# Altium PCB CONTROLLER.PcbDoc (part 3 of 4)
Units mm, origin at the board's own origin, x right, y up, seen from the top; angles counter-clockwise.
Board outline 104 x 83 mm, 6 copper layers (Component Side, Ground Plane (GND), Inner Layer 1, Inner Layer 2, Power Plane (VCC), Solder Side), stack 1.297 mm thick; 390 components, 384 nets, 1561 pads, 757 vias.
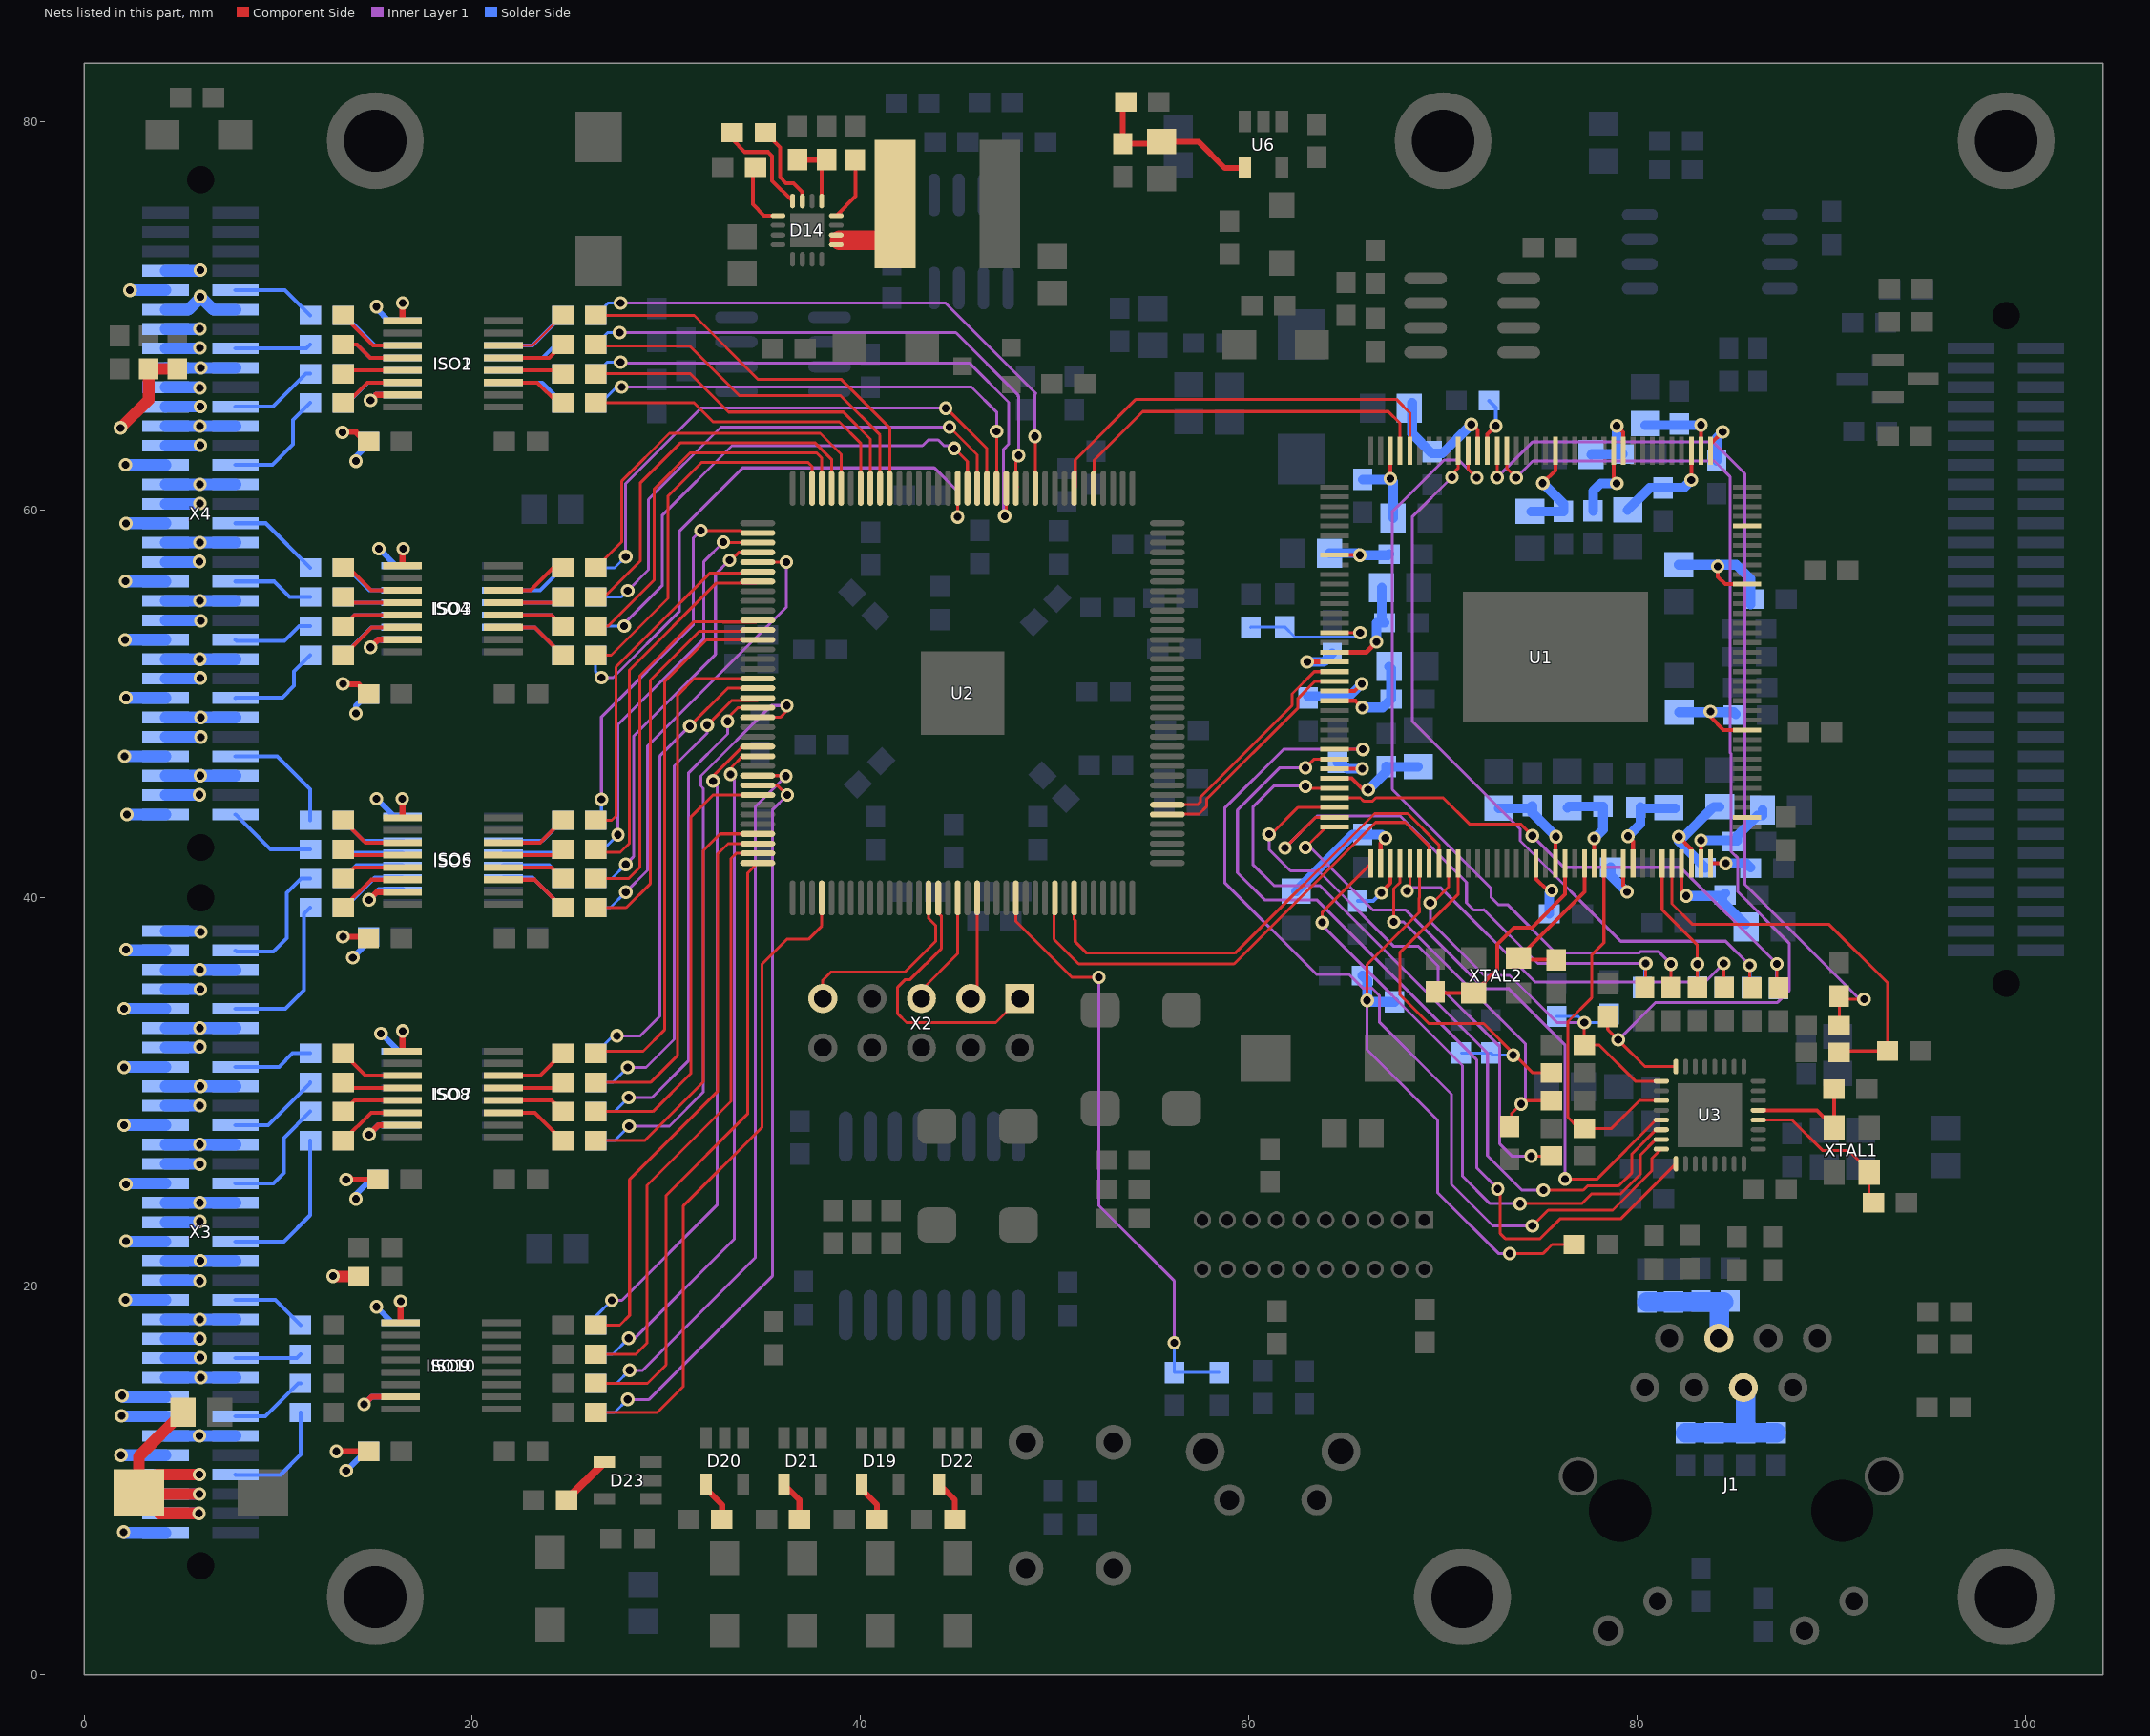
[diagram p7: the nets of this part, all layers, seen from the top]

## Via types
v1: diameter 0.7, hole 0.4, Component Side to Solder Side, tented both sides, 757 vias

## Nets (pads, with @x,y where several pads share a name; then routed paths per layer and width w, separated by ;. In a path a pad name is that pad's centre, name@x,y a point inside that pad or via, vN(x,y) a via of type N, cw(c..) or ccw(c..) an arc to the next point about the centre after c; other vN are vias at no path point) (continued)
EXT_GND: C77.2 C78.1 C79.2 C148.1 C154.1 C155.1 C156.1 C157.1 C161.2 C162.2 C163.2 C164.2 C165.2 ISO1.9 ISO1.15 ISO2.2 ISO2.8 ISO3.9 ISO3.15 ISO4.2 ISO4.8 ISO5.9 ISO5.15 ISO6.2 ISO6.8 ISO7.9 ISO7.15 ISO8.2 ISO8.8 ISO9.9 ISO9.15 ISO10.2 ISO10.8 R87.1 R155.1 X3.3 X3.6 X3.9 X3.12 X3.15 X3.18 X3.21 X3.24 X3.27 X3.33 X3.34 X3.35 X3.36 X3.37 X3.38 X3.39 X3.40 X3.41 X3.42 X3.43 X3.44 X3.45 X3.46 X3.47 X3.48 X3.49 X3.50 X3.51 X3.52 X3.53 X3.54 X3.55 X3.56 X3.57 X3.58 X3.59 X3.60 X3.61 X3.62 X3.63 X3.64 X4.6 X4.9 X4.12 X4.15 X4.18 X4.21 X4.24 X4.27 X4.30 X4.33 X4.34 X4.35 X4.36 X4.37 X4.38 X4.39 X4.40 X4.41 X4.42 X4.43 X4.44 X4.45 X4.46 X4.47 X4.48 X4.49 X4.50 X4.51 X4.52 X4.53 X4.54 X4.55 X4.56 X4.57 X4.58 X4.59 X4.60 X4.61 | length 216.1
  Component Side w0.3: v1(13,11.5) C157.1@14.15,11.5 ; v1(13.31,63.983) 13.327,64 14,64 C148.1@14.5,63.5 ; v1(13.335,37.998) 13.337,38 C155.1@14.65,38 ; v1(13.335,51.029) 13.364,51 14.15,51 C154.1@14.65,50.5 ; v1@13.65,25.65 13.8,25.5 C156.1@15.15,25.5 ; v1(14.427,13.919) 14.813,14.305 ISO9.15@16.304,14.305 ; v1(14.681,27.813) 15.173,28.305 ISO7.15@16.4,28.305 ; v1(14.681,39.903) 15.082,40.305 ISO5.15@16.4,40.305 ; v1(14.757,52.908) 15.154,53.305 ISO3.15@16.4,53.305 ; v1(14.757,65.634) 15.036,65.913 ISO1.15@16.4,65.913 ; ISO9.9@16.304,18.115 16.304,19.225 v1(16.307,19.228) ; v1(16.383,45.11) 16.4,45.093 ISO5.9@16.4,44.115 ; ISO7.9@16.4,32.115 16.4,33.139 v1(16.408,33.147) ; ISO3.9@16.4,57.115 16.4,57.954 v1(16.434,57.988) ; ISO1.9@16.4,69.723 16.4,70.629 v1(16.408,70.637)
  Component Side w0.6: v1(1.88,64.211) 3.327,65.659 R87.1@3.327,67.247 C79.2@4.801,67.247 ; C78.1@5.095,13.513 2.82,11.237 C77.2@2.82,9.373 ; v1(5.918,8.306) 3.887,8.306 C77.2@2.896,9.296 ; v1(5.944,9.296) C77.2@2.896,9.296 ; v1(5.944,10.312) 3.76,10.312 C77.2@2.82,9.373 ; v1(12.827,20.523) 12.85,20.5 R155.1@14.15,20.5 ; C77.2@2.82,9.373 C77.2@2.896,9.296
  Solder Side w0.3: v1(13.5,10.5) 14.65,11.65 C165.2@14.65,11.856 ; v1(13.843,36.932) 14.65,37.739 C163.2@14.65,38 ; v1(14,24.5) 14,24.719 C164.2@15.15,25.869 ; v1(14,49.5) 14,49.89 C162.2@14.65,50.54 ; v1(14,62.5) 14,62.717 14.65,63.367 C161.2@14.65,63.5 C161.2@14.65,63.65 ; v1(14.427,13.919) 14.813,14.305 ISO10.2@16.304,14.305 ; v1(14.681,27.813) 15.173,28.305 ISO8.2@16.304,28.305 ; v1(14.681,39.903) 15.19,40.412 ISO6.2@16.4,40.412 ; v1(14.757,52.908) 15.154,53.305 ISO4.2@16.304,53.305 ; v1(14.757,65.634) 15.036,65.912 ISO2.2@16.4,65.912 ; v1(15.062,18.948) 15.896,18.115 ISO10.8@16.304,18.115 ; v1(15.062,45.11) 15.95,44.222 ISO6.8@16.4,44.222 ; v1(15.062,70.46) 15.062,70.358 15.698,69.722 ISO2.8@16.4,69.722 ; v1(15.189,57.988) 16.063,57.115 ISO4.8@16.304,57.115 ; v1(15.291,33.02) 16.196,32.115 ISO8.8@16.304,32.115
  Solder Side w0.6: v1(1.902,11.3) X3.37@4.2,11.3 ; v1(1.93,13.335) 1.965,13.3 X3.39@4.2,13.3 ; v1(1.956,14.376) 2.032,14.3 X3.40@4.2,14.3 ; v1(2.032,7.341) 2.073,7.3 X3.33@4.2,7.3 ; v1(2.057,28.296) 2.062,28.3 X3.54@4.2,28.3 ; v1(2.057,31.267) 2.09,31.3 X3.57@4.2,31.3 ; v1(2.057,34.29) 2.067,34.3 X3.60@4.2,34.3 ; v1(2.083,47.295) 2.088,47.3 X4.36@4.2,47.3 ; v1(2.108,53.289) 2.119,53.3 X4.42@4.2,53.3 ; v1(2.134,19.304) 2.138,19.3 X3.45@4.2,19.3 ; v1(2.134,56.312) 2.145,56.3 X4.45@4.2,56.3 ; v1(2.134,62.306) 2.14,62.3 X4.51@4.2,62.3 ; v1(2.159,22.327) 2.186,22.3 X3.48@4.2,22.3 ; v1(2.159,25.248) 2.211,25.3 X3.51@4.2,25.3 ; v1(2.159,37.338) 2.197,37.3 X3.63@4.2,37.3 ; v1(2.159,50.317) 2.176,50.3 X4.39@4.2,50.3 ; v1(2.159,59.284) 2.175,59.3 X4.48@4.2,59.3 ; v1(2.21,44.298) 2.212,44.3 X4.33@4.2,44.3 ; v1(2.362,71.298) 2.364,71.3 X4.60@4.2,71.3 ; X3.34@4.2,8.3 5.912,8.3 v1(5.918,8.306) ; X3.35@4.2,9.3 5.94,9.3 v1(5.944,9.296) ; X3.36@4.2,10.3 5.931,10.3 v1(5.944,10.312) ; X3.38@4.2,12.3 v1(5.944,12.3) X3.27@7.8,12.3 ; X3.41@4.2,15.3 v1(6.02,15.3) X3.24@7.8,15.3 ; X3.42@4.2,16.3 5.962,16.3 v1(5.994,16.332) ; X3.43@4.2,17.3 5.966,17.3 v1(5.969,17.297) ; X3.44@4.2,18.3 5.957,18.3 v1(5.969,18.288) 5.981,18.3 X3.21@7.8,18.3 ; X3.46@4.2,20.3 5.938,20.3 v1(5.969,20.269) ; X3.47@4.2,21.3 5.984,21.3 v1(5.994,21.311) 6.005,21.3 X3.18@7.8,21.3 ; X3.49@4.2,23.3 5.926,23.3 v1(5.969,23.343) ; X3.50@4.2,24.3 v1(5.969,24.3) X3.15@7.8,24.3 ; X3.52@4.2,26.3 5.958,26.3 v1(5.969,26.289) ; X3.53@4.2,27.3 v1(5.969,27.3) X3.12@7.8,27.3 ; X3.55@4.2,29.3 5.957,29.3 v1(5.969,29.312) ; X3.56@4.2,30.3 v1(6,30.3) X3.9@7.8,30.3 ; X3.58@4.2,32.3 5.935,32.3 v1(5.969,32.334) ; X3.59@4.2,33.3 v1(5.969,33.3) X3.6@7.8,33.3 ; X3.61@4.2,35.3 5.988,35.3 v1(5.994,35.306) ; X3.62@4.2,36.3 v1(5.969,36.3) X3.3@7.8,36.3 ; X3.64@4.2,38.3 5.972,38.3 v1(6.02,38.252) ; X4.34@4.2,45.3 5.93,45.3 v1(5.944,45.314) ; X4.35@4.2,46.3 v1(5.994,46.3) X4.30@7.8,46.3 ; X4.37@4.2,48.3 6.005,48.3 v1(6.02,48.285) ; X4.38@4.2,49.3 v1(6.02,49.3) X4.27@7.8,49.3 ; X4.40@4.2,51.3 5.961,51.3 v1(5.994,51.333) ; X4.41@4.2,52.3 v1(5.969,52.3) X4.24@7.8,52.3 ; X4.43@4.2,54.3 6,54.3 v1(6.02,54.28) ; X4.44@4.2,55.3 v1(5.969,55.3) X4.21@7.8,55.3 ; X4.46@4.2,57.3 5.916,57.3 v1(5.944,57.328) ; X4.47@4.2,58.3 v1(5.969,58.3) X4.18@7.8,58.3 ; X4.49@4.2,60.3 5.944,60.3 v1(5.969,60.325) ; X4.50@4.2,61.3 v1(5.969,61.3) X4.15@7.8,61.3 ; X4.52@4.2,63.3 5.972,63.3 v1(5.994,63.322) ; X4.53@4.2,64.3 v1(5.969,64.3) X4.12@7.8,64.3 ; X4.54@4.2,65.3 4.203,65.303 v1(5.994,65.303) ; X4.55@4.2,66.3 5.938,66.3 v1(5.969,66.269) ; X4.56@4.2,67.3 v1(6.02,67.3) X4.9@7.8,67.3 ; X4.57@4.2,68.3 5.943,68.3 v1(5.969,68.326) ; X4.58@4.2,69.3 5.952,69.3 v1(5.969,69.317) ; X4.59@4.2,70.3 5.378,70.3 5.994,70.917 v1(5.994,70.968) 6.662,70.3 X4.6@7.8,70.3 ; X4.61@4.2,72.3 5.955,72.3 v1(5.994,72.339)
  other v1: 13.5,25.5
FPGA_INPUT1: R167.1 U2.83 | length 29.8
  Component Side w0.15: v1(48.975,63.775) 49,63.75 U2.83@49,61.1
  Inner Layer 1 w0.15: v1(27.635,70.637) 44.374,70.637 49.022,65.989 48.975,65.942 v1(48.975,63.775)
  Solder Side w0.15: R167.1@26.35,70 26.987,70.637 v1(27.635,70.637)
FPGA_INPUT2: R165.1 U2.85 | length 28.3
  Component Side w0.15: U2.85@48.075,61.175 U2.85@48,61.1 48,62.656 v1(48.133,62.789)
  Inner Layer 1 w0.15: v1(27.584,69.113) 44.907,69.113 48.108,65.913 48.082,65.888 48.133,65.837 v1(48.133,62.789)
  Solder Side w0.15: R165.1@26.35,68.5 26.963,69.113 v1(27.584,69.113)
FPGA_INPUT3: R163.1 U2.86 | length 30.2
  Component Side w0.15: v1(47.422,59.665) 47.5,59.743 U2.86@47.5,61.1 U2.86@47.422,61.022
  Inner Layer 1 w0.15: v1(27.635,67.589) 27.559,67.589 27.508,67.539 45.618,67.539 47.625,65.532 47.625,63.375 47.361,63.111 47.361,59.725 v1(47.422,59.665)
  Solder Side w0.15: R163.1@26.35,67 26.939,67.589 v1(27.635,67.589)
FPGA_INPUT4: R161.1 U2.87 | length 25.6
  Component Side w0.15: U2.87@46.925,61.175 U2.87@47,61.1 v1(47,64.025)
  Inner Layer 1 w0.15: v1(27.686,66.319) 45.706,66.319 47,65.025 v1(47,64.025)
  Solder Side w0.15: R161.1@26.35,65.5 26.613,65.5 27.432,66.319 v1(27.686,66.319)
FPGA_INPUT5: R177.1 U2.88 | length 28.7
  Component Side w0.15: v1(44.375,65.225) 44.425,65.225 46.5,63.15 U2.88@46.5,61.1
  Inner Layer 1 w0.15: v1(27.9,57.575) 27.9,61.35 31.775,65.225 v1(44.375,65.225)
  Solder Side w0.15: R177.1@26.35,57 27.325,57 v1(27.9,57.575)
FPGA_INPUT6: R175.1 U2.89 | length 27.7
  Component Side w0.15: v1(44.577,64.253) 46,62.83 U2.89@46,61.1
  Inner Layer 1 w0.15: v1(28,55.825) 29.075,56.9 29.075,60.525 32.803,64.253 v1(44.577,64.253)
  Solder Side w0.15: R175.1@26.35,55.5 27.675,55.5 v1(28,55.825)
FPGA_INPUT7: R173.1 U2.90 | length 27.3
  Component Side w0.15: v1(44.827,63.153) 45.5,62.48 U2.90@45.5,61.1
  Inner Layer 1 w0.15: v1@27.675,53.975 27.8,53.975 v1(27.825,54) ; v1@27.762,54.063 29.775,56.075 29.775,59.7 33.372,63.297 43.185,63.297 43.48,63.592 43.998,63.592 44.292,63.297 44.683,63.297 v1(44.827,63.153)
  Solder Side w0.15: R173.1@26.35,54 v1(27.825,54)
FPGA_INPUT8: R171.1 U2.91 | length 29.8
  Component Side w0.15: v1(45,59.625) U2.91@45,61.1
  Inner Layer 1 w0.15: v1(26.65,51.35) 27.25,51.35 30.675,54.775 30.675,58.9 33.925,62.15 43.8,62.15 45,60.95 v1(45,59.625)
  Solder Side w0.15: R171.1@26.35,52.5 26.35,51.65 v1(26.65,51.35)
FPGA_INPUT9: R185.1 U2.110 | length 20.1
  Component Side w0.15: v1(31.775,58.925) 33.795,58.925 33.92,58.8 U2.110@34.7,58.8
  Inner Layer 1 w0.15: v1(26.65,45.075) 26.65,49.325 31.375,54.05 31.375,58.525 v1(31.775,58.925)
  Solder Side w0.15: R185.1@26.35,44 26.65,44.3 v1(26.65,45.075)
FPGA_INPUT10: R183.1 U2.111 | length 20.6
  Component Side w0.15: v1(32.925,58.325) 32.9,58.3 U2.111@34.7,58.3
  Inner Layer 1 w0.15: v1(27.5,43.25) 27.5,48.925 31.928,53.353 31.928,57.328 v1(32.925,58.325)
  Solder Side w0.15: R183.1@26.35,42.5 26.75,42.5 v1(27.5,43.25)
FPGA_INPUT11: R181.1 U2.112 | length 21.4
  Component Side w0.15: v1(33.25,57.4) 33.325,57.4 33.725,57.8 U2.112@34.7,57.8
  Inner Layer 1 w0.15: v1(27.9,41.725) 28.3,42.125 28.3,48.325 32.522,52.547 32.522,56.672 v1(33.25,57.4)
  Solder Side w0.15: R181.1@26.35,41 27.175,41 v1(27.9,41.725)
FPGA_INPUT12: R179.1 U2.113 | length 23.8
  Component Side w0.15: U2.113@34.7,57.3 v1(36.175,57.3)
  Inner Layer 1 w0.15: v1(27.9,40.3) 29.025,41.425 29.025,47.825 36.175,54.975 v1(36.175,57.3)
  Solder Side w0.15: R179.1@26.35,39.5 27.1,39.5 v1(27.9,40.3)
FPGA_INPUT13: R193.1 U2.126 | length 24
  Component Side w0.15: v1(31.2,48.85) 33.15,50.8 U2.126@34.7,50.8
  Inner Layer 1 w0.15: v1(27.45,32.9) 28.65,32.9 29.65,33.9 29.65,47.3 v1(31.2,48.85)
  Solder Side w0.15: R193.1@26.35,32 27.25,32.9 v1(27.45,32.9)
FPGA_INPUT14: R191.1 U2.127 | length 25.1
  Component Side w0.15: v1(32.102,48.902) 33.374,50.175 34.7,50.175 U2.127@34.7,50.3
  Inner Layer 1 w0.15: v1(28,31.275) 28.95,31.275 30.4,32.725 30.4,46.8 32.102,48.502 v1(32.102,48.902)
  Solder Side w0.15: R191.1@26.35,30.5 27.225,30.5 v1(28,31.275)
FPGA_INPUT15: R189.1 U2.128 | length 26.1
  Component Side w0.15: v1(33.152,49.102) 33.152,49.278 33.673,49.8 U2.128@34.7,49.8
  Inner Layer 1 w0.15: v1(28.05,29.725) 29.25,29.725 31.125,31.6 31.125,46.425 33.152,48.452 v1(33.152,49.102)
  Solder Side w0.15: R189.1@26.35,29 27.325,29 v1(28.05,29.725)
FPGA_INPUT16: R187.1 U2.129 | length 30.8
  Component Side w0.15: U2.129@34.7,49.3 35.863,49.3 36.195,49.632 v1(36.195,49.911)
  Inner Layer 1 w0.15: v1(28.075,28.25) 30.15,28.25 31.9,30 31.9,45.641 31.775,45.766 31.775,46.284 35.402,49.911 v1(36.195,49.911)
  Solder Side w0.15: R187.1@26.35,27.5 27.325,27.5 v1(28.075,28.25)
FPGA_INPUT17: R201.1 U2.132 | length 34.2
  Component Side w0.15: v1(32.4,46.025) 32.4,46.28 33.92,47.8 U2.132@34.7,47.8
  Inner Layer 1 w0.15: v1(27.175,19.275) 27.7,19.275 32.6,24.175 32.6,45.825 v1(32.4,46.025)
  Solder Side w0.15: R201.1@26.35,18 26.35,18.45 v1(27.175,19.275)
FPGA_INPUT18: R199.1 U2.133 | length 35.6
  Component Side w0.15: v1(33.3,46.367) 33.3,46.375 33.375,46.45 33.375,46.755 33.92,47.3 U2.133@34.7,47.3
  Inner Layer 1 w0.15: v1(28.05,17.325) 28.375,17.325 33.5,22.45 33.5,46.167 v1(33.3,46.367)
  Solder Side w0.15: R199.1@26.35,16.5 27.225,16.5 v1(28.05,17.325)
FPGA_INPUT19: R197.1 U2.135 | length 37.8
  Component Side w0.15: U2.135@34.7,46.3 36.125,46.3 v1(36.15,46.275)
  Inner Layer 1 w0.15: v1(28.1,15.675) 28.775,15.675 34.575,21.475 34.575,44.7 v1(36.15,46.275)
  Solder Side w0.15: R197.1@26.35,15 27.425,15 v1(28.1,15.675)
FPGA_INPUT20: R195.1 U2.136 | length 38.8
  Component Side w0.15: U2.136@34.7,45.8 35.7,45.8 36.2,45.3 v1(36.225,45.3)
  Inner Layer 1 w0.15: v1(28,14.175) 29.1,14.175 35.45,20.525 35.45,44.525 v1(36.225,45.3)
  Solder Side w0.15: R195.1@26.35,13.5 27.325,13.5 v1(28,14.175)
FPGA_OUTPUT1: R79.2 U2.98 | length 20.7
  Component Side w0.15: R79.2@26.35,70 31.425,70 34.725,66.7 39.015,66.7 41.5,64.215 U2.98@41.5,61.1
FPGA_OUTPUT2: R14.2 U2.99 | length 19.3
  Component Side w0.15: R14.2@26.35,68.5 26.425,68.425 31.2,68.425 33.75,65.875 38.968,65.875 41,63.843 U2.99@41,61.1
FPGA_OUTPUT3: R12.2 U2.100 | length 18.1
  Component Side w0.15: R12.2@26.35,67 31.225,67 33.2,65.025 39.111,65.025 40.5,63.636 U2.100@40.5,61.1
FPGA_OUTPUT4: R3.2 U2.101 | length 16.8
  Component Side w0.15: R3.2@26.35,65.5 31.425,65.5 32.4,64.525 38.904,64.525 40,63.429 U2.101@40,61.1
FPGA_OUTPUT5: R95.2 U2.103 | length 19.6
  Component Side w0.15: R95.2@26.35,57 27.7,58.35 27.7,61.483 30.15,63.933 37.917,63.933 39,62.85 U2.103@39,61.1
FPGA_OUTPUT6: R93.2 U2.104 | length 19.6
  Component Side w0.15: R93.2@26.35,55.5 26.8,55.5 28.642,57.342 28.642,61.367 30.708,63.433 37.667,63.433 38.5,62.6 U2.104@38.5,61.1
FPGA_OUTPUT7: R91.2 U2.105 | length 19.8
  Component Side w0.15: R91.2@26.35,54 26.988,54 29.375,56.387 29.375,61.075 31.233,62.933 37.717,62.933 38,62.65 U2.105@38,61.1
FPGA_OUTPUT8: R89.2 U2.106 | length 19.6
  Component Side w0.15: R89.2@26.35,52.5 27.15,52.5 30.075,55.425 30.075,60.7 31.808,62.433 37.292,62.433 37.5,62.225 U2.106@37.5,61.1
FPGA_OUTPUT9: R105.2 U2.114 | length 18.1
  Component Side w0.15: R105.2@26.35,44 27.175,44 27.4,44.225 27.4,51.9 29.21,53.71 32.225,56.725 34.625,56.725 U2.114@34.7,56.8
FPGA_OUTPUT10: R103.2 U2.115 | length 19.4
  Component Side w0.15: R103.2@26.35,42.5 26.5,42.35 27.625,42.35 28.093,42.818 28.093,51.743 32.575,56.225 34.625,56.225 U2.115@34.7,56.3
FPGA_OUTPUT11: R101.2 U2.119 | length 19.7
  Component Side w0.15: R101.2@26.35,41 28.05,41 28.625,41.575 28.625,51.45 31.4,54.225 32.897,54.225 32.909,54.213 34.613,54.213 U2.119@34.7,54.3
FPGA_OUTPUT12: R98.2 U2.120 | length 20.4
  Component Side w0.15: R98.2@26.35,39.5 27.925,39.5 29.175,40.75 29.175,51.226 31.674,53.725 34.625,53.725 U2.120@34.7,53.8
FPGA_OUTPUT13: R114.2 U2.121 | length 27.7
  Component Side w0.15: R114.2@26.35,32 26.456,32.106 28.804,32.106 29.9,33.202 29.9,51.134 32.066,53.3 U2.121@34.7,53.3
FPGA_OUTPUT14: R111.2 U2.125 | length 27.8
  Component Side w0.15: R111.2@26.35,30.5 29.175,30.5 30.575,31.9 30.575,50.45 31.425,51.3 U2.125@34.7,51.3
FPGA_OUTPUT15: R109.2 U2.137 | length 22.8
  Component Side w0.15: R109.2@26.35,29 29.3,29 31.25,30.95 31.25,44.153 32.397,45.3 U2.137@34.7,45.3
FPGA_OUTPUT16: R107.2 U2.141 | length 21.9
  Component Side w0.15: R107.2@26.35,27.5 28.875,27.5 31.9,30.525 31.9,42.441 32.759,43.3 U2.141@34.7,43.3
FPGA_OUTPUT17: R153.2 U2.142 | length 29.9
  Component Side w0.15: R153.2@26.35,18 27.6,18 28.1,18.5 28.1,25.5 32.625,30.025 32.625,42.252 33.173,42.8 U2.142@34.7,42.8
FPGA_OUTPUT18: R141.2 U2.143 | length 31.1
  Component Side w0.15: R141.2@26.35,16.5 28.425,16.5 29,17.075 29,25.2 33.325,29.525 33.325,42.037 33.588,42.3 U2.143@34.7,42.3
FPGA_OUTPUT19: R139.2 U2.144 | length 31.8
  Component Side w0.15: R139.2@26.35,15 29.025,15 29.975,15.95 29.975,24.675 34.175,28.875 34.175,41.275 U2.144@34.7,41.8
FPGA_OUTPUT20: R129.2 U2.4 | length 33.8
  Component Side w0.15: R129.2@26.35,13.5 29.525,13.5 30.875,14.85 30.875,24.15 34.925,28.2 34.925,36.6 36.196,37.871 37.313,37.871 38,38.559 U2.4@38,40
FPGA_RESET: C185.2 R88.2 U2.24 | length 31
  Component Side w0.15: U2.24@48,40 48,38.792 50.876,35.916 v1(52.273,35.916)
  Inner Layer 1 w0.15: v1(52.273,35.916) 52.273,24.155 56.159,20.269 v1(56.159,17.094)
  Solder Side w0.15: v1(56.159,17.094) C185.2@56.159,15.557 R88.2@58.471,15.557
GPIO47/CPU_BOOT_1: R134.2 R135.1 U1.52 | length 7.3
  Component Side w0.15: U1.52@64.409,53.656 v1(65.724,53.656)
  Solder Side w0.15: R134.2@60.096,53.938 60.122,53.963 R135.1@61.849,53.963 62.371,53.442 65.51,53.442 v1(65.724,53.656)
GPIO128: U1.140
GPIO134: U1.110
INPUT1: R166.2 X4.5 | length 4.4
  Solder Side w0.2: X4.5@7.8,71.3 10.35,71.3 R166.2@11.65,70
INPUT2: R164.2 X4.8 | length 3.9
  Solder Side w0.2: X4.8@7.8,68.3 11.45,68.3 R164.2@11.65,68.5
INPUT3: R162.2 X4.11 | length 4.6
  Solder Side w0.2: X4.11@7.8,65.3 9.725,65.3 11.425,67 R162.2@11.65,67
INPUT4: R160.2 X4.14 | length 5.9
  Solder Side w0.2: X4.14@7.8,62.3 9.697,62.3 10.77,63.373 10.77,64.62 R160.2@11.65,65.5
INPUT5: R176.2 X4.17 | length 4.8
  Solder Side w0.2: X4.17@7.8,59.3 9.35,59.3 R176.2@11.65,57
INPUT6: R174.2 X4.20 | length 4.2
  Solder Side w0.2: X4.20@7.8,56.3 9.791,56.3 10.591,55.5 R174.2@11.65,55.5
INPUT7: R172.2 X4.23 | length 4.2
  Solder Side w0.2: X4.23@7.8,53.3 7.862,53.238 10.312,53.238 11.074,54 R172.2@11.65,54
INPUT8: R168.2 X4.26 | length 5.2
  Solder Side w0.2: X4.26@7.8,50.3 7.817,50.317 10.211,50.317 10.82,50.927 10.82,51.67 R168.2@11.65,52.5
INPUT9: R184.2 X4.29 | length 6.2
  Solder Side w0.2: X4.29@7.8,47.3 9.952,47.3 11.65,45.602 R184.2@11.65,44
INPUT10: R182.2 X4.32 | length 4.6
  Solder Side w0.2: X4.32@7.8,44.3 9.6,42.5 R182.2@11.65,42.5
INPUT11: R180.2 X3.2 | length 6.8
  Solder Side w0.2: X3.2@7.8,37.3 7.864,37.236 9.754,37.236 10.439,37.922 10.439,40.259 11.18,41 R180.2@11.65,41
INPUT12: R178.2 X3.5 | length 8.3
  Solder Side w0.2: X3.5@7.8,34.3 10.373,34.3 11.328,35.255 11.328,39.178 R178.2@11.65,39.5